# Altium PCB Power_Board_PCB.PcbDoc (part 2 of 3) (continued)
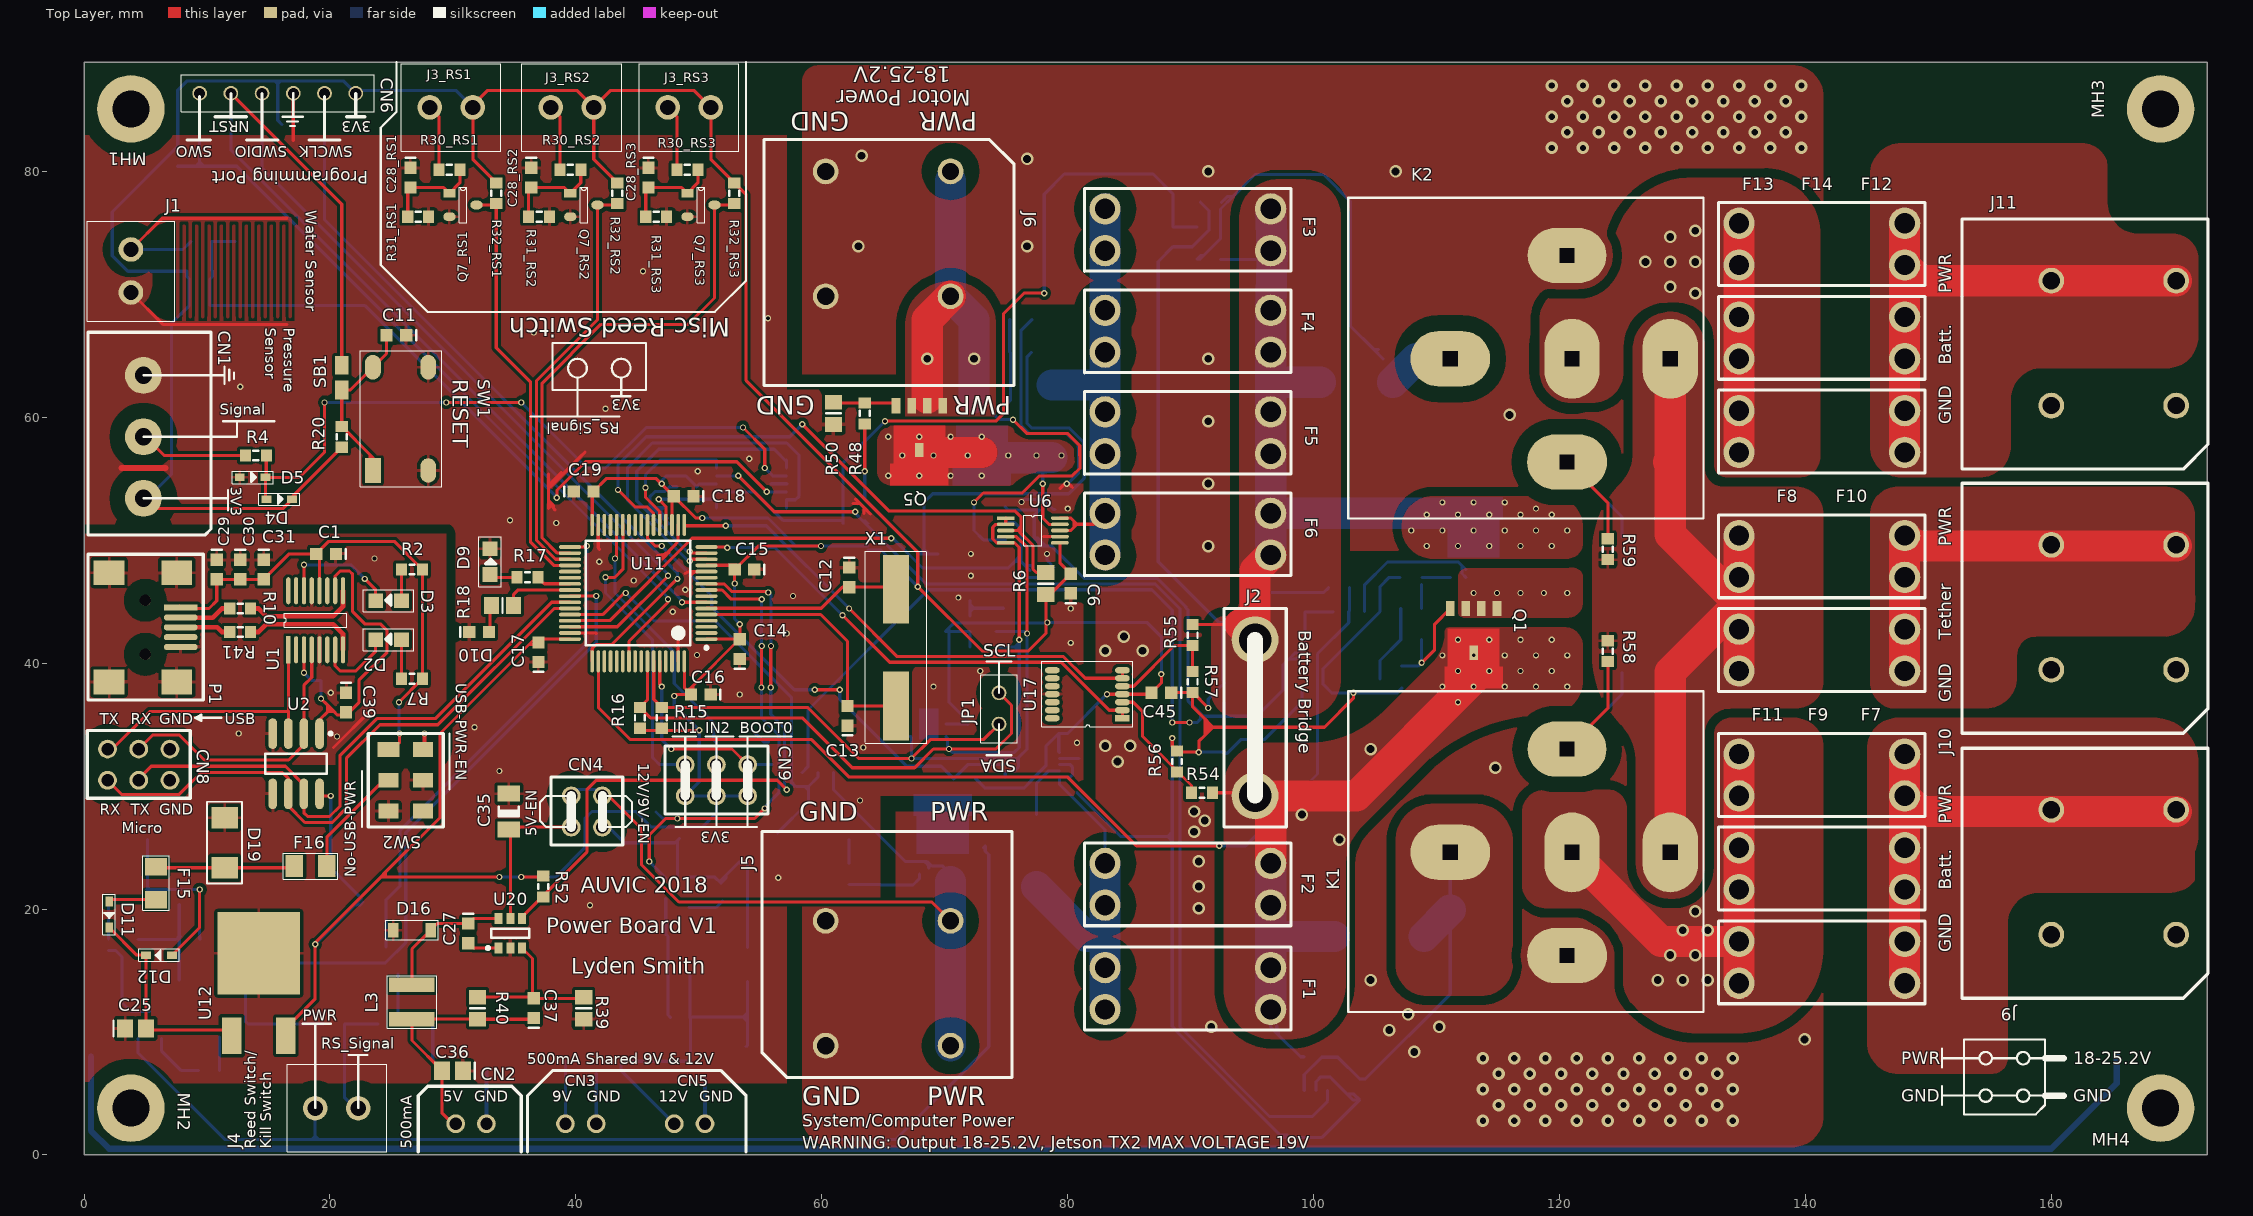
[diagram p0: Top Layer view]
## Nets (pads, with @x,y where several pads share a name; then routed paths per layer and width w, separated by ;. In a path a pad name is that pad's centre, name@x,y a point inside that pad or via, vN(x,y) a via of type N, cw(c..) or ccw(c..) an arc to the next point about the centre after c; other vN are vias at no path point) (continued)
  Top Layer w0.305: 17.018,82.55 CN6.3@17.018,86.36
  Top Layer w0.508: 3.048,55.88 6.604,55.88
  Bottom Layer w0.254: 47.447,51.791 cw(c47.447,51.913) 47.36,51.827 47.018,52.169 cw(c47.235,52.386) 46.928,52.386 ccw(c46.928,52.132) 46.749,52.311 46.672,52.235 ; 47.563,51.344 46.672,52.235 ; C46.1@48.222,54.356 47.625,54.356 47.625,54.347 47.253,53.975 46.457,53.975 46.025,53.543 46.025,52.883 ; U4.3@72.068,43.846 72.068,44.196 ; U4.4@72.068,45.096 72.068,44.773 ; 74.803,44.475 72.39,44.475 ; v1(76.251,53.111) 76.471,53.332 78.018,53.332 78.848,52.502 C44.1@78.981,52.502 ; 76.294,46.973 76.592,46.973 ; 76.346,47.219 76.592,46.973 ; R49.1@77.1,67.945 76.2,67.045 76.2,59.369 76.895,58.674 79.943,58.674 80.846,57.771 80.846,57.578 80.897,57.527 80.897,55.497 80.01,54.61 v1(79.934,54.61) ; v1(78.334,48.895) 78.334,48.387 78.65,48.07 R61.2@78.65,47.574 ; R61.2@78.65,47.549 R61.2@78.65,47.574 ; R61.2@78.879,47.803 R61.2@78.65,47.574 ; U5.7@79.33,32.25 80.907,32.25 ; 80.772,29.464 84.328,25.908 88.138,25.908 ; v1(88.519,33.909) 88.519,26.289 ; v1(90.678,32.766) 92.71,32.766 C41.1@92.71,32.678 92.978,32.678 94.082,33.782 96.012,33.782 99.06,36.83 C8.1@99.06,37.92 ; C47.1@90.819,77.495 91.491,76.823 U16.2@91.491,75.569 91.491,75.227 90.141,73.877 R37.1@88.57,73.877 87.376,72.683 87.376,48.26 92.329,43.307 ; v1(91.44,36.361) 91.44,37.084 92.71,38.354 C7.1@92.71,38.43 92.596,38.544 92.596,43.04 ; U18.2@100.203,5.254 100.203,5.969 100.584,6.35 101.349,6.35 101.783,5.916 101.783,5.913 102.743,4.953 ; R60.2@101.233,46.152 100.839,45.758 C42.1@99.314,45.758 95.313,45.758 92.862,43.307 ; R45.1@107.05,46.99 106.172,46.99 105.41,46.228 U8.4@105.41,44.195 100.787,39.572 100.787,38.278 101.473,37.592 v1(103.251,37.592) 106.818,37.592 R44.1@107.188,37.962 ; 46.025,52.883 ccw(c46.515,53.373) 46.515,52.68 47.132,52.68 ccw(c47.132,52.766) 47.193,52.705 cw(c46.549,53.349) 46.549,52.438 46.469,52.438 ; 46.025,52.883 46.469,52.438 ; 46.469,52.438 46.672,52.235 ; 72.068,44.196 72.347,44.475 ; 72.068,44.196 72.068,44.45 ; 72.068,44.45 72.093,44.475 72.347,44.475 ; 72.068,44.45 72.068,44.773 ; 72.068,44.773 72.092,44.773 72.39,44.475 ; 72.347,44.475 72.39,44.475 ; 76.592,46.973 78.049,46.973 R61.2@78.65,47.574 ; 88.138,25.908 88.519,25.527 ; 88.138,25.908 88.519,25.908 ; 88.138,25.908 88.519,26.289 ; 88.519,25.527 88.519,25.908 ; 88.519,25.527 88.519,10.474 88.697,10.296 88.697,10.225 97.307,1.614 ; 88.519,25.908 88.519,26.289 ; 92.329,43.307 92.596,43.04 ; 92.329,43.307 92.862,43.307 ; 92.596,43.04 92.862,43.307 ; 97.307,1.614 97.485,1.436 R38.1@98.044,1.436 ; 97.307,1.614 97.866,1.614 R38.1@98.044,1.436 ; R38.1@98.044,1.436 100.711,1.436 C48.1@103.759,4.484 ; 102.743,4.953 103.212,4.484 C48.1@103.759,4.484 ; 102.743,4.953 103.29,4.953 C48.1@103.759,4.484
  Bottom Layer w0.305: CN2.2@32.726,2.286 CN2.2@32.726,2.54 32.726,6.945 ; CN3.2@41.656,2.286 CN3.2@41.656,2.54 41.656,6.604 ; CN5.2@50.506,2.286 CN5.2@50.506,2.54 50.506,6.437 ; 54.356,34.544 55.284,33.616 R23.1@55.626,33.616 ; 55.895,54.595 U3.11@57.135,54.595
  Bottom Layer w0.508: 0.552,8.02 0.552,1.988 2.032,0.508 160.02,0.508 165.354,5.842 165.354,8.128
  other v1: 41.148,20.32 56.464,22.555 63.119,28.829 33.782,31.242 63.373,33.147 80.772,33.528 31.75,34.798 53.34,37.465 69.088,38.1 72.898,39.37 49.86,40.665 80.264,41.656 57.15,42.418 47.879,44.196 80.264,44.45 71.12,45.339 57.658,45.466 48.895,45.974 44.704,46.736 72.136,47.117 41.91,48.26 72.136,48.895 38.405,51.41 34.646,51.638 80.01,52.578 49.911,55.626 54.102,56.642 42.418,60.706 12.7,62.484 36.576,66.904 55.626,68.072 45.466,71.882
  other v2: 113.792,2.794 116.332,2.794 118.872,2.794 121.412,2.794 123.952,2.794 126.492,2.794 129.032,2.794 131.572,2.794 134.112,2.794 115.062,4.064 117.602,4.064 120.142,4.064 122.682,4.064 125.222,4.064 127.762,4.064 130.302,4.064 132.842,4.064 113.792,5.334 116.332,5.334 118.872,5.334 121.412,5.334 123.952,5.334 126.492,5.334 129.032,5.334 131.572,5.334 134.112,5.334 115.062,6.604 117.602,6.604 120.142,6.604 122.682,6.604 125.222,6.604 127.762,6.604 130.302,6.604 132.842,6.604 113.792,7.874 116.332,7.874 118.872,7.874 121.412,7.874 123.952,7.874 126.492,7.874 129.032,7.874 131.572,7.874 134.112,7.874 119.38,81.915 121.92,81.915 124.46,81.915 127,81.915 129.54,81.915 132.08,81.915 134.62,81.915 137.16,81.915 139.7,81.915 120.65,83.185 123.19,83.185 125.73,83.185 128.27,83.185 130.81,83.185 133.35,83.185 135.89,83.185 138.43,83.185 119.38,84.455 121.92,84.455 124.46,84.455 127,84.455 129.54,84.455 132.08,84.455 134.62,84.455 137.16,84.455 139.7,84.455 120.65,85.725 123.19,85.725 125.73,85.725 128.27,85.725 130.81,85.725 133.35,85.725 135.89,85.725 138.43,85.725 119.38,86.995 121.92,86.995 124.46,86.995 127,86.995 129.54,86.995 132.08,86.995 134.62,86.995 137.16,86.995 139.7,86.995
  other v3: 108.204,8.382 139.954,9.398 106.172,10.16 91.694,10.414 110.236,10.414 107.696,11.43 104.648,14.224 90.678,20.066 90.678,21.844 90.678,23.876 90.297,26.289 91.161,27.203 90.297,27.94 114.808,31.496 84.074,32.004 83.058,33.274 85.09,33.274 83.058,41.021 86.106,41.021 84.582,42.164 91.44,49.53 91.44,54.61 91.44,59.69 115.951,60.198 91.44,64.77 62.992,73.914 76.708,73.914 91.44,80.01 106.68,80.01 76.708,81.026 63.246,81.28
GND-USB: C1.1 C2.1 C29.1 C30.1 C31.1 C39.1 CN8.3 P1.5 P1.@2.032,38.471 P1.@2.032,47.371 P1.@7.532,38.471 P1.@7.532,47.371 SW2.3 U1.5 U1.13 U2.4 | length 5.7
  Top Layer w0.254: 20.285,33.149 23.358,36.223
  Top Layer w0.305: SW2.3@27.562,32.98 27.686,33.104 v1(27.686,34.29)
  other v1: 20.574,34.036 12.573,34.29 20.066,37.592 23.622,48.514
GREEN: R17.2 U11.39 | length 2.6
  Top Layer w0.254: R17.2@37.084,46.736 37.172,46.736 37.438,46.47 U11.39@39.535,46.47
INPUT_1: CN9.1 R21.2 U11.27 | length 24.4
  Top Layer w0.254: v1(42.418,46.99) 43.18,46.99 43.823,47.633 U11.27@43.823,51.258
  Bottom Layer w0.254: v1(42.418,46.99) 42.418,45.72 46.228,41.91 46.228,32.346 R21.2@46.482,32.092 46.824,31.75 CN9.1@48.895,31.75
INPUT_2: CN9.2 R22.2 U11.28 | length 23
  Top Layer w0.254: v1(43.18,48.514) 43.323,48.657 U11.28@43.323,51.258
  Bottom Layer w0.254: v1(43.18,48.514) 43.18,45.711 48.006,40.885 48.006,38.354 51.22,35.14 R22.2@51.22,33.782 51.435,33.567 CN9.2@51.435,31.75
Left-Battery: C48.2 K1.30 R8.2 U18.3 U18.5 | length 31.9
  Bottom Layer w0.254: U18.3@99.253,5.254 99.253,6.543 100.664,7.954 U18.5@101.153,7.954 101.989,7.954 C48.2@103.759,6.184 104.228,6.184 111.132,13.088 111.132,19.917 K1.30@111.132,24.62
  Bottom Layer w2.54: 108.995,17.78 111.132,19.917
Left-Battery-Shunted: D7.A F1.2 F2.2 J2.1 Q1.5 R8.1 R54.1 U18.4 | length 59.9
  Top Layer w0.254: R54.1@91.87,29.464 J2.1@95.25,29.464
  Top Layer w2.54: F2.2@96.52,23.72 96.52,27.94 J2.1@95.25,29.21 103.505,29.21 113.03,38.735 v1(113.03,40.64) Q1.5@113.03,40.85
  Bottom Layer w0.254: J2.1@95.25,29.21 D7.A@95.25,32.732 ; F1.2@96.52,11.84 96.52,10.414 96.955,9.943 ; 97.014,10.476 96.955,9.943 ; 97.155,10.16 97.155,9.747 ; U18.4@99.234,7.991 98.943,7.991 97.155,9.747 ; 96.955,9.943 97.01,9.888 97.155,9.747
  Bottom Layer w2.54: F1.2@96.52,11.84 F1.2@96.52,15.24 96.52,17.78 ; F2.2@96.52,23.72 F2.2@96.52,20.32 96.52,17.78 ; R8.1@101.698,17.78 96.52,17.78
  other v1: 111.76,36.83 110.49,38.1 113.03,38.1 115.57,38.1 118.11,38.1 120.65,38.1 111.76,39.37 114.3,39.37 116.84,39.37 119.38,39.37 110.49,40.64 115.57,40.64 118.11,40.64 120.65,40.64 111.76,41.91 114.3,41.91 116.84,41.91 119.38,41.91
  other v3: 102.108,25.654 99.06,27.686 104.648,33.02
Micro-Power: C24.2 Q8.3 U13.5 | length 7.6
  Bottom Layer w0.254: U13.5@1.975,16.637 2.565,16.637 3.086,16.116 3.086,14.478 C24.2@3.086,13.208 3.086,12.408 3.81,11.684 Q8.3@5.334,11.684
Motor-Draw: F3.1 F4.1 F5.1 F6.1 R12.1 U6.8 U6.10 | length 39.2
  Top Layer w0.254: U6.8@79.375,50.8 80.264,50.8 80.518,51.054 ; U6.10@79.375,51.8 80.28,51.8 80.518,51.562 ; F6.1@83.05,52.197 82.161,51.308 80.772,51.308 ; 80.518,51.054 80.772,51.308 ; 80.518,51.054 80.518,51.308 ; 80.518,51.308 80.772,51.308 ; 80.518,51.308 80.518,51.562 ; 80.518,51.562 80.772,51.308
  Bottom Layer w2.54: R12.1@78.74,62.64 R12.1@78.867,62.64 82.81,62.64 83.05,62.88 ; F6.1@83.05,48.797 F6.1@83.05,52.197 F5.1@83.05,57.052 F5.1@83.05,60.452 83.05,62.88 ; F3.1@83.05,76.962 F3.1@83.05,73.562 F4.1@83.05,68.707 F4.1@83.05,65.307 83.05,62.88
Motor-Draw-Shunted: Q3.5 Q5.5 R12.2 U6.9 | length 18.2
  Top Layer w0.254: v1(77.978,54.61) 77.978,51.816 78.494,51.3 U6.9@79.375,51.3
  Top Layer w2.54: Q5.5@67.945,57.36 68.155,57.15 73.025,57.15
  Bottom Layer w0.254: v1(77.978,54.61) 77.978,55.978 R12.2@78.74,56.74
  Bottom Layer w2.54: Q3.5@73.025,57.15 Q3.5@73.025,57.36 73.667,56.718 78.112,56.718 78.134,56.74 R12.2@78.74,56.74
  other v1: 65.405,55.245 67.945,55.245 70.485,55.245 73.025,55.245 66.548,56.896 69.088,56.896 71.882,56.896 75.184,56.896 77.47,56.896 79.502,56.896 65.405,58.42 67.945,58.42 70.485,58.42 73.025,58.42
Motor-Power: J6.1 Q3.1 Q3.2 Q3.3 Q5.1 Q5.2 Q5.3 U10.3 | length 52.8
  Top Layer w0.254: v1(72.39,53.086) 73.152,53.848 76.318,53.848 77.715,55.245 80.391,55.245 81.026,55.88 81.026,56.816 80.988,56.855 80.988,57.696 80.01,58.674 76.708,58.674 v1(75.565,59.817) ; 73.406,60.96 73.66,61.214
  Top Layer w2.54: 68.58,61.595 v3(68.58,64.77) 68.58,67.945 J6.1@70.485,69.85
  Bottom Layer w0.254: v1(72.39,53.086) 72.39,50.8 73.152,50.038 U10.3@74.93,50.038 ; 73.914,60.325 74.422,59.817 v1(75.565,59.817)
  Bottom Layer w2.54: J6.1@70.485,79.248 J6.1@70.485,69.85 72.39,67.945 v3(72.39,64.77) 72.39,61.595
NetC11_2: C11.2 R20.1 SB1.1 SW1.1 SW1.2 | length 15.4
  Top Layer w0.254: C11.2@24.6,66.675 24.6,65.185 SW1.2@23.495,64.08 21.645,62.23 SB1.1@20.955,62.23 R20.1@20.955,59.27 23.241,56.984 ; 23.241,56.984 23.495,56.73 SW1.1@23.495,55.68 23.241,55.934 23.241,56.984
NetC20_2: C20.2 Q6.1 R24.1 R25.1 | length 11
  Bottom Layer w0.254: R25.1@13.12,15.24 13.12,10.878 Q6.1@13.335,10.663 16.045,10.663 16.256,10.452 16.472,10.668 R24.1@19.47,10.668
NetC21_2: C21.2 Q9.1 R26.1 R29.2 | length 8.8
  Bottom Layer w0.254: R26.1@25.522,11.132 Q9.1@25.522,14.732 ; R26.1@26.029,10.668 R29.2@28.194,10.668 ; R29.2@28.36,10.668 28.36,7.746 C21.2@28.448,7.658
NetC22_1: C22.1 R33.1 R34.2 U13.1 | length 9.7
  Bottom Layer w0.254: U13.1@4.375,17.526 7.482,17.526 C22.1@7.736,17.78 ; R34.2@7.736,14.224 C22.1@7.736,17.78 ; R33.1@7.736,20.39 C22.1@7.736,17.78 ; C22.1@7.836,17.78 C22.1@7.736,17.78
NetC25_2: C25.2 D11.K D12.K U12.2 | length 17
  Top Layer w0.254: D11.K@2.032,18.508 4.284,16.256 D12.K@5.046,16.256 5.046,10.708 5.006,10.668 5.514,10.16 11.551,10.16 U12.2@12.008,9.703
NetC26_1: C26.1 D13.K L2.1 U14.6 | length 13.8
  Bottom Layer w0.254: U14.6@49.21,22.606 51.308,22.606 C26.1@51.816,22.098 ; C26.1@51.816,22.136 52.197,22.517 52.197,22.733 ; C26.1@51.816,22.352 52.197,22.733 ; L2.1@53.975,16.894 D13.K@53.975,23.875 D13.K@53.594,23.875 ; 52.197,22.733 53.213,23.749 ; 53.213,23.749 53.468,23.749 D13.K@53.594,23.875 ; 53.213,23.749 53.339,23.875 D13.K@53.594,23.875
NetC26_2: C26.2 U14.1 | length 3
  Bottom Layer w0.254: U14.1@49.21,20.136 51.416,20.136 C26.2@51.816,20.536 C26.2@51.943,20.663
NetC27_1: C27.1 D16.K L3.1 U20.6 | length 11
  Top Layer w0.254: L3.1@26.67,13.846 26.67,16.763 D16.K@28.195,18.288 28.741,18.834 C27.1@31.242,18.834 31.642,19.234 U20.6@33.721,19.234
NetC27_2: C27.2 U20.1 | length 2.8
  Top Layer w0.254: C27.2@31.534,17.488 31.534,16.98 31.68,16.834 U20.1@33.721,16.834
NetC28_RS1_2: C28_RS1.2 Q7_RS1.1 R30_RS1.1 R31_RS1.2 | length 8.1
  Top Layer w0.254: R31_RS1.2@26.328,76.327 26.328,78.487 C28_RS1.2@26.543,78.702 29.243,78.702 Q7_RS1.1@29.718,78.227 30.568,79.077 R30_RS1.1@30.568,80.137
NetC28_RS2_2: C28_RS2.2 Q7_RS2.1 R30_RS2.1 R31_RS2.2 | length 8.1
  Top Layer w0.254: R31_RS2.2@36.163,76.327 36.163,78.487 C28_RS2.2@36.378,78.702 39.078,78.702 Q7_RS2.1@39.553,78.227 40.403,79.077 R30_RS2.1@40.403,80.137
NetC28_RS3_2: C28_RS3.2 Q7_RS3.1 R30_RS3.1 R31_RS3.2 | length 8.1
  Top Layer w0.254: R31_RS3.2@45.688,76.327 45.688,78.487 C28_RS3.2@45.903,78.702 48.603,78.702 Q7_RS3.1@49.078,78.227 49.928,79.077 R30_RS3.1@49.928,80.137
NetC34_2: C34.2 R35.2 R36.2 U14.3 | length 9.8
  Bottom Layer w0.254: 47.31,20.841 47.31,20.39 U14.3@47.31,20.136 47.31,17.968 47.498,17.78 47.498,11.392 C34.2@47.714,11.176
NetC37_2: C37.2 R39.2 R40.2 U20.3 | length 13.1
  Top Layer w0.254: R40.2@32.004,12.838 C37.2@36.476,12.838 ; U20.3@35.621,16.834 36.476,15.979 C37.2@36.476,12.838 ; R39.2@40.64,12.838 40.54,12.738 C37.2@36.576,12.738 C37.2@36.476,12.838
NetCN1_2: CN1.2 R4.2 | length 8.6
  Top Layer w0.254: CN1.2@5.08,58.34 6.524,56.896 R4.2@13.12,56.896
NetCN8_5: CN8.5 U2.7 U11.42 | length 48.7
  Top Layer w0.254: CN8.5@4.099,30.261 5.461,31.623 16.383,31.623 17.882,30.124 U2.7@17.882,29.376 17.882,27.838 18.188,27.532 19.966,27.532 20.828,28.393 20.828,32.512 23.812,35.496 28.566,35.496 38.028,44.958 U11.42@39.523,44.958
NetCN8_6: CN8.6 U2.6 U11.43 | length 51.4
  Top Layer w0.254: CN8.6@1.905,30.48 3.048,29.337 7.747,29.337 9.525,31.115 16.129,31.115 16.612,30.632 U2.6@16.612,29.376 16.612,28.401 17.962,27.051 20.193,27.051 21.336,28.194 21.336,32.258 24.074,34.996 28.773,34.996 38.235,44.458 U11.43@39.523,44.458
NetD1_A: D1.A D6.K R1.1 R3.1 U3.12 | length 63.1
  Top Layer w0.254: v1(38.456,53.467) 38.456,54.058 40.786,56.388 53.086,56.388 v1(55.529,53.945)
  Bottom Layer w0.254: D1.A@10.375,71.955 R3.1@10.375,74.295 D6.K@12.285,74.295 ; D1.A@10.448,71.882 10.448,71.455 10.248,71.255 R1.1@10.248,69.088 22.86,69.088 38.456,53.492 v1(38.456,53.467) ; v1(55.529,53.945) U3.12@57.135,53.945
NetD2_1: D2.1 U1.7 | length 6.4
  Top Layer w0.254: U1.7@20.422,41.097 20.422,39.776 20.828,39.37 22.098,39.37 23.715,40.987 D2.1@23.715,41.91
NetD2_2: D2.2 R7.1 | length 3.2
  Top Layer w0.254: D2.2@25.815,41.91 25.815,38.74 R7.1@25.82,38.735
NetD3_1: D3.1 U1.14 | length 9.5
  Top Layer w0.254: U1.14@17.882,46.1 v1(17.882,48.006) ; v1(22.835,46.863) 23.715,45.983 D3.1@23.715,45.085
  Bottom Layer w0.254: v1(17.882,48.006) 21.692,48.006 v1(22.835,46.863)
NetD3_2: D3.2 R2.1 | length 2.5
  Top Layer w0.254: D3.2@25.815,45.085 25.82,45.09 R2.1@25.82,47.625
NetD4_A: D4.A D5.K R4.1 U3.10 | length 57
  Top Layer w0.254: R4.1@14.82,56.896 14.82,55.172 D5.K@14.766,55.118 ; D4.A@14.825,53.34 14.766,53.399 D5.K@14.766,55.118 ; v1(19.558,61.214) 19.558,57.15 17.526,55.118 D5.K@14.766,55.118 ; v1(29.464,61.214) v1(35.56,61.214) ; v1(53.594,59.182) 55.372,57.404 v1(55.372,55.88)
  Bottom Layer w0.254: v1(19.558,61.214) v1(29.464,61.214) ; v1(35.56,61.214) 40.894,55.88 42.418,55.88 45.72,59.182 v1(53.594,59.182) ; v1(55.372,55.88) 56.007,55.245 U3.10@57.135,55.245
NetD9_2: D9.2 R17.1 | length 2.3
  Top Layer w0.254: D9.2@33.02,47.21 33.24,46.99 R17.1@35.218,46.99
NetD10_2: D10.2 R18.1 | length 2.1
  Top Layer w0.254: D10.2@33.009,42.975 R18.1@33.009,45.085
NetD11_A: D11.A F15.2 | length 3.9
  Top Layer w0.254: D11.A@2.032,20.608 2.192,20.768 F15.2@5.842,20.768
NetD14_2: D14.2 R37.2 U3.3 U16.1 | length 67.6
  Top Layer w0.254: v1(65.151,59.69) 65.177,59.716 74.194,59.716 74.803,60.325 74.803,68.453 76.454,70.104 v1(78.105,70.104)
  Bottom Layer w0.254: U3.3@51.435,53.945 54.513,53.945 56.837,51.621 D14.2@61.722,51.621 ; D14.2@61.756,51.401 D14.2@61.722,51.367 D14.2@61.722,51.621 ; v1(65.151,59.69) 61.722,56.261 D14.2@61.722,51.621 ; v1(78.105,70.104) 78.105,78.157 79.743,79.795 86.956,79.795 88.57,78.181 R37.2@88.57,75.577 88.57,75.489 U16.1@90.541,75.489
NetD15_2: D15.2 R38.2 U3.5 U18.1 | length 93.2
  Top Layer w0.254: v1(53.213,55.245) 56.134,52.324 v1(62.738,52.324)
  Bottom Layer w0.254: U3.5@51.435,55.245 v1(53.213,55.245) ; v1(62.738,52.324) 62.738,52.188 63.364,51.562 ; D15.2@63.754,51.367 63.559,51.562 63.364,51.562 ; U18.1@101.153,5.254 101.153,4.379 99.91,3.136 R38.2@98.044,3.136 96.432,3.136 89.154,10.414 89.154,44.414 87.111,46.457 68.487,46.457 68.081,46.863 68.063,46.863 63.364,51.562
NetD17_2: D17.2 K1.86 R58.2 | length 16.6
  Top Layer w0.254: K1.86@120.632,33.02 123.952,36.34 R58.2@123.952,40.132
  Bottom Layer w0.254: K1.86@120.632,33.02 125.095,37.483 D17.2@125.095,39.25
NetD18_2: D18.2 K2.85 R59.2 | length 17.4
  Top Layer w0.254: K2.85@120.632,56.37 123.952,53.05 123.952,50.38 R59.2@124.206,50.126
  Top Layer w1.27: K2.85@120.632,56.37 ccw(c120.632,58.61) K2.85@122.216,57.026
  Bottom Layer w0.254: K2.85@120.632,56.37 125.095,51.907 D18.2@125.095,50.285
NetD19_K: D19.K F15.1 F16.2 | length 11.3
  Top Layer w0.254: F15.1@5.842,23.428 5.902,23.368 D19.K@11.43,23.368 16.958,23.368 F16.2@17.085,23.495
NetF7_1: F7.1 F9.1 F11.1 J9.2 | length 41.3
  Top Layer w2.54: F7.1@148.09,13.97 F7.1@148.09,17.37 F9.1@148.09,21.59 F9.1@148.09,24.99 F11.1@148.09,29.21 ; F11.1@148.09,32.61 F11.1@148.09,29.21 ; J9.2@170.18,27.94 149.36,27.94 F11.1@148.09,29.21
NetF8_1: F8.1 F10.1 J10.2 | length 33.5
  Top Layer w2.54: F10.1@148.09,39.37 F10.1@148.09,42.77 F8.1@148.09,46.99 F8.1@148.09,50.39 148.95,49.53 J10.2@170.18,49.53
NetF12_1: F12.1 F13.1 F14.1 J11.2 | length 41.3
  Top Layer w2.54: F12.1@148.09,57.15 F12.1@148.09,60.55 F14.1@148.09,64.77 F14.1@148.09,68.17 F13.1@148.09,72.39 ; F13.1@148.09,75.79 F13.1@148.09,72.39 ; J11.2@170.18,71.12 J11.2@160.02,71.12 149.36,71.12 F13.1@148.09,72.39
NetF16_1: F16.1 SW2.5 | length 9.3
  Top Layer w0.254: F16.1@19.745,23.495 19.745,25.841 24.384,30.48 SW2.5@24.762,30.48
NetJ1_1: J1.1 R3.2 | length 18.9
  Top Layer w0.254: J1.1@3.81,73.66 6.35,76.2 16.51,76.2
  Bottom Layer w0.254: J1.1@3.81,73.66 8.04,73.66 R3.2@8.675,74.295
NetJ3_RS1_2: J3_RS1.2 R30_RS1.2 | length 5.4
  Top Layer w0.254: J3_RS1.2@28.123,85.217 28.868,84.472 R30_RS1.2@28.868,80.137
NetJ3_RS2_2: J3_RS2.2 R30_RS2.2 | length 5.4
  Top Layer w0.254: J3_RS2.2@37.958,85.217 38.703,84.472 R30_RS2.2@38.703,80.137
NetJ3_RS3_2: J3_RS3.2 R30_RS3.2 | length 5.4
  Top Layer w0.254: J3_RS3.2@47.483,85.217 48.228,84.472 R30_RS3.2@48.228,80.137
NetL1_1: L1.1 U13.6 | length 3.4
  Bottom Layer w0.254: U13.6@1.975,17.587 L1.1@1.975,20.955
NetQ1_1: Q1.1 Q1.2 Q1.3 Q2.1 Q2.2 Q2.3 U8.3 | length 12.5
  Bottom Layer w0.254: U8.3@104.14,44.195 104.14,46.355 106.019,48.234 111.786,48.234 112.09,47.93 ; Q2.3@112.395,46.99 112.09,47.295 112.09,47.93 ; 112.395,47.625 112.09,47.93
  other v1: 113.03,45.72 114.935,45.72 116.84,45.72 118.745,45.72 120.65,45.72
NetQ1_4: Q1.4 R42.2 R44.2 | length 9
  Top Layer w0.254: v1(108.8,40.044) 109.855,41.099 109.855,43.18 Q1.4@111.125,44.45
  Bottom Layer w0.254: R44.2@107.188,39.762 108.518,39.762 v1(108.8,40.044) R42.2@108.8,41.91
NetQ2_4: Q2.4 R43.2 R45.2 | length 4.2
  Bottom Layer w0.254: R43.2@108.8,44.45 R45.2@108.8,46.405 ; R45.2@108.85,46.99 Q2.4@111.125,46.99
NetQ3_4: Q3.4 R46.2 R49.2 | length 7.2
  Bottom Layer w0.254: Q3.4@74.93,60.96 75.35,61.38 R46.2@75.35,65.278 75.3,65.328 R49.2@75.3,67.945
NetQ4_4: Q4.4 R47.1 R51.2 | length 6.3
  Bottom Layer w0.254: R47.1@62.23,22.01 64.72,22.01 R51.2@64.77,21.96 67.426,21.96 67.945,22.479 Q4.4@67.945,22.86
NetQ5_4: Q5.4 R48.2 R50.2 | length 5.2
  Top Layer w0.254: R50.2@60.96,61.225 61.01,61.175 R48.2@63.5,61.175 65.825,61.175 Q5.4@66.04,60.96
NetQ6_3: Q6.3 R27.1 | length 2.7
  Bottom Layer w0.254: R27.1@11.01,6.858 Q6.3@11.01,9.588
NetQ8_1: Q8.1 R27.2 | length 4.7
  Bottom Layer w0.254: Q8.1@6.284,9.484 6.284,8.489 7.915,6.858 R27.2@9.31,6.858
NetQ9_3: Q9.3 R28.1 U11.33 | length 40.8
  Top Layer w0.254: U11.33@39.523,49.458 40.822,49.458 v1(40.894,49.53)
  Bottom Layer w0.254: Q9.3@24.572,16.932 24.572,20.762 25.705,21.895 25.705,26.407 40.894,41.596 v1(40.894,49.53)
NetR5_1: R5.1 U5.3 U11.23 | length 39.7
  Top Layer w0.254: U11.23@45.823,51.258 45.823,50.189 46.482,49.53 v1(46.99,49.53) ; v1(59.436,37.846) v1(61.468,37.846)
  Bottom Layer w0.254: v1(46.99,49.53) 51.054,45.466 51.054,44.568 57.776,37.846 v1(59.436,37.846) ; v1(61.468,37.846) 61.468,37.084 66.929,31.623 69.712,31.623 R5.1@70.728,30.607 71.871,31.75 U5.3@74.93,31.75
NetR6_1: R6.1 U6.3 U11.22 | length 51.5
  Top Layer w0.254: v1(43.434,54.102) 44.831,52.705 45.816,52.705 46.323,52.198 U11.22@46.323,51.258 ; v1(58.42,59.436) 65.481,52.375 75.743,52.375 76.2,51.918 76.2,51.095 ; U6.3@74.975,50.8 75.905,50.8 ; R6.1@78.232,47.382 77.459,47.382 77.185,47.656 77.185,49.591 76.2,50.576 ; 75.905,50.8 76.2,51.095 ; 75.905,50.8 75.976,50.8 76.2,50.576 ; 76.2,50.576 76.2,51.095
  Bottom Layer w0.254: v1(43.434,54.102) 43.434,56.134 45.72,58.42 57.404,58.42 v1(58.42,59.436)
NetR25_2: R25.2 U11.41 | length 48.4
  Top Layer w0.254: U11.41@39.523,45.458 40.124,45.458 40.132,45.466 v1(41.656,45.466)
  Bottom Layer w0.254: R25.2@15.201,15.621 24.511,15.621 26.162,17.272 26.162,26.217 41.656,41.711 v1(41.656,45.466)
NetR42_1: R42.1 R43.1 U8.5 | length 6.4
  Bottom Layer w0.254: U8.5@105.41,38.735 105.41,40.22 R42.1@107.1,41.91 R43.1@107.1,44.45
NetR46_1: R46.1 R48.1 U10.5 | length 47.1
  Top Layer w0.254: v1(63.5,55.626) R48.1@63.5,59.475
  Bottom Layer w0.254: v1(63.5,55.626) 63.5,53.349 67.954,48.895 ; U10.5@69.47,48.895 68.698,48.895 ; R46.1@77.05,65.278 76.708,64.936 76.708,59.508 77.085,59.131 80.133,59.131 81.305,57.958 81.305,57.765 81.354,57.716 81.354,55.056 80.087,53.789 69.029,53.789 68.326,53.086 68.326,49.267 ; 67.954,48.895 68.326,49.267 ; 67.954,48.895 68.326,48.895 ; 68.326,48.895 68.326,49.267 ; 68.326,48.895 68.698,48.895 ; 68.326,49.267 68.698,48.895
NetR47_2: R47.2 U9.5 | length 1.9
  Bottom Layer w0.254: R47.2@62.23,23.71 U9.5@62.23,25.655
NetR52_1: R52.1 U11.10 U20.4 | length 51.6
  Top Layer w0.254: U20.4@35.555,19.299 40.894,24.638 40.894,29.718 41.656,30.48 56.388,30.48 v1(57.15,29.718) ; U11.10@50.623,46.458 52.047,46.458 52.658,45.847 55.381,45.847 55.477,45.751 v1(55.657,45.751) ; v1@55.855,37.948 v1(55.855,38.024) 55.855,41.326 55.88,41.351 55.855,41.377 v1(55.88,41.402)
  Bottom Layer w0.254: v1(55.657,45.751) 55.88,45.528 v1(55.88,41.402) ; v1(55.855,38.024) 55.855,35.839 56.972,34.722 56.972,29.896 v1(57.15,29.718)
NetR53_1: R53.1 U11.9 U14.4 | length 39.2
  Top Layer w0.254: v1(45.974,23.876) 45.974,26.03 47.31,27.366 v1(48.26,27.366) 54.544,27.366 v1(55.372,28.194) ; U11.9@50.623,45.958 51.9,45.958 52.646,45.212 v1(55.118,45.212) ; v1(55.093,38.024) 55.093,41.377 v1(55.118,41.402)
  Bottom Layer w0.254: v1(45.974,23.876) 45.974,23.872 U14.4@47.31,22.536 ; R53.1@46.526,27.896 47.056,27.366 v1(48.26,27.366) ; v1(55.093,38.024) 55.093,35.585 56.515,34.163 56.515,29.455 55.372,28.312 v1(55.372,28.194) ; v1(55.118,41.402) v1(55.118,45.212)
NetR54_2: R54.2 R56.1 U17.3 | length 10.3
  Top Layer w0.254: U17.3@84.455,36.83 85.344,36.83 86.106,36.068 86.106,34.036 90.082,30.06 R54.2@90.082,29.464 R54.2@90.17,29.464
NetR55_2: R55.2 R57.1 U17.5 | length 9.2
  Top Layer w0.254: U17.5@84.455,38.13 85.374,38.13 88.685,41.441 R55.2@90.17,41.441 R57.1@90.17,39.331
NetR60_1: R60.1 U8.2 U11.50 | length 85.6
  Top Layer w0.254: U11.50@41.835,40.17 41.835,36.397 44.45,33.782 59.182,33.782 62.23,30.734 80.01,30.734 85.598,25.146 v1(92.329,25.146)
  Bottom Layer w0.254: v1(92.329,25.146) 94.488,25.146 100.33,30.988 100.33,40.767 102.87,43.307 U8.2@102.87,44.195 102.933,44.258 R60.1@102.933,46.152
NetR61_1: R61.1 U10.2 U11.45 | length 47.5
  Top Layer w0.254: U11.45@39.535,43.47 42.755,43.47 49.45,50.165 v1(65.659,50.165)
  Bottom Layer w0.254: v1(65.659,50.165) 65.786,50.165 68.199,47.752 75.184,47.752 75.731,48.299 ; U10.2@74.93,51.435 75.692,51.435 76.2,50.927 76.2,48.768 ; R61.1@76.95,47.549 76.556,47.943 ; R61.1@77.179,47.803 77.038,47.943 76.556,47.943 ; 75.731,48.299 76.2,48.299 ; 75.731,48.299 75.959,48.527 ; 75.959,48.527 75.972,48.527 76.2,48.299 ; 75.959,48.527 76.2,48.768 ; 76.2,48.299 76.2,48.768 ; 76.2,48.299 76.556,47.943
NetR62_1: R62.1 U9.2 U11.44 | length 37.9
  Top Layer w0.254: U11.44@39.523,43.958 42.18,43.958 43.942,45.72 v1(44.069,45.72)
  Bottom Layer w0.254: v1(44.069,45.72) 46.355,43.434 51.342,43.434 57.531,37.245 57.531,30.353 ; R62.1@56.413,26.199 58.928,28.714 58.928,29.667 ; 57.785,29.981 57.531,30.235 57.531,30.353 ; U9.2@59.69,31.115 59.69,30.734 58.928,29.972 ; 57.531,30.353 57.912,29.972 58.623,29.972 ; 58.623,29.972 58.928,29.667 ; 58.623,29.972 58.928,29.972 ; 58.928,29.667 58.928,29.972
NetU3_1: U3.1 U3.2 U11.20 | length 7.7
  Top Layer w0.254: v1(46.736,53.34) 47.323,52.753 U11.20@47.323,51.258
  Bottom Layer w0.254: v1(46.736,53.34) 51.39,53.34 U3.2@51.435,53.295 U3.1@51.435,52.645
NetU3_6: U3.6 U3.7 U11.21 | length 11.5
  Top Layer w0.254: v1(45.669,54.28) 45.669,53.499 46.823,52.345 U11.21@46.823,51.258
  Bottom Layer w0.254: v1(45.669,54.28) 45.669,55.321 46.863,56.515 U3.7@51.435,56.515 ; U3.6@51.435,55.895 U3.7@51.435,56.515 ; U3.7@51.435,56.545 U3.7@51.435,56.515
NetU3_8: U3.8 U3.9 U11.15 | length 23.8
  Top Layer w0.254: v1(49.276,49.093) 49.276,49.089 49.407,48.958 U11.15@50.623,48.958
  Bottom Layer w0.254: v1(49.276,49.093) 49.069,49.093 44.958,53.204 44.958,55.626 46.736,57.404 56.134,57.404 U3.8@57.135,56.403 ; U3.9@57.135,55.895 U3.8@57.135,56.403 ; U3.8@57.135,56.545 U3.8@57.135,56.403
NetU3_13: U3.13 U3.14 U11.14 | length 31.5
  Top Layer w0.254: v1(49.276,48.323) 49.276,48.327 49.407,48.458 U11.14@50.623,48.458
  Bottom Layer w0.254: v1(49.276,48.323) 49.148,48.323 44.188,53.283 44.188,55.872 46.228,57.912 57.15,57.912 58.166,56.896 58.166,53.594 57.867,53.295 U3.13@57.135,53.295 U3.14@57.135,52.645
NetU11_16: U11.16 U17.1 U17.2 | length 40
  Top Layer w0.254: U11.16@50.635,49.47 52.257,49.47 v1(52.324,49.403) ; v1(61.691,43.911) 65.521,40.081 79.481,40.081 83.382,36.18 U17.2@84.455,36.18 U17.1@84.455,35.53
  Bottom Layer w0.254: v1(52.324,49.403) 56.199,49.403 v1(61.691,43.911)